# Allegro board FMDEMOD-before-back-annote.brd (continued)
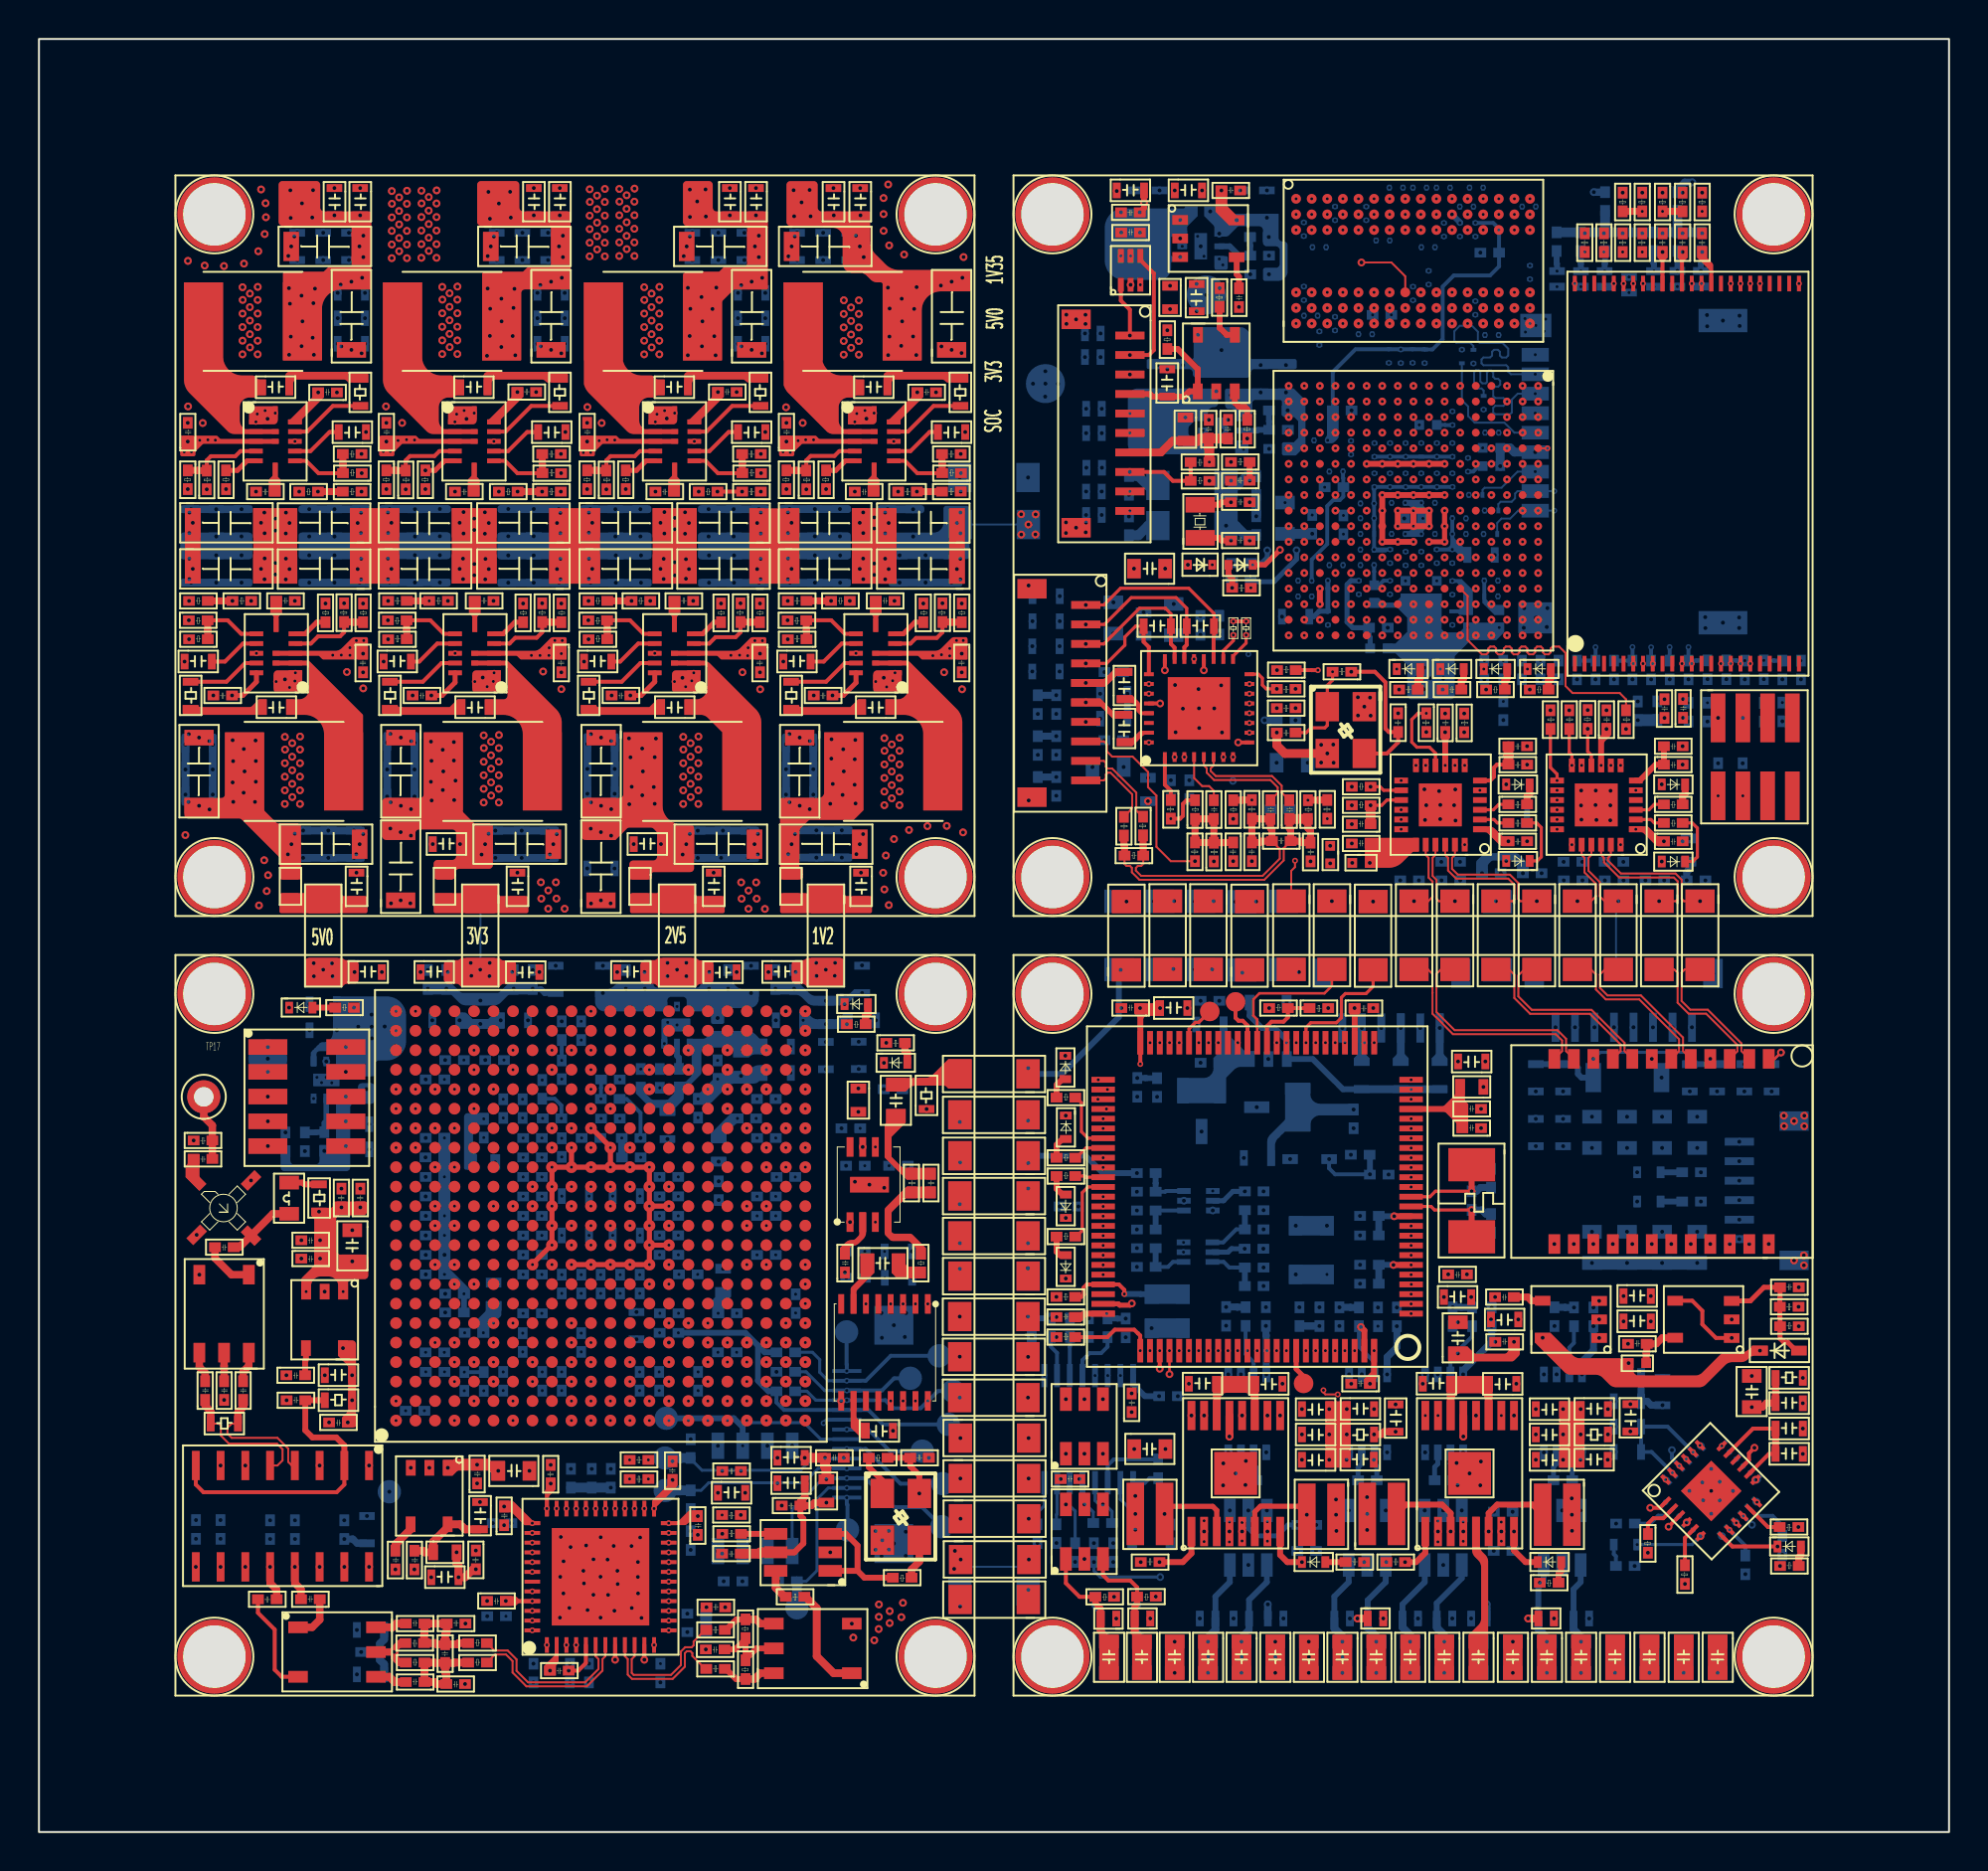
[diagram p0: board, top side]
## Routing (per net, layer and track width the routed paths; a pad name or vN(x,y) marks a point on that pad's centre or on a via; arc(x,y) is an arc through that point) (continued)
N7085137: length 19
  PWR-L6 w0.22: v2(76.77,74.8) 77.39,74.8 79.11,76.53 79.11,78.97 79.36,79.22 79.36,79.68 79.11,79.93 v2(79.11,80.09)
  BOTTOM w0.1: v2(76.77,74.8) 75.52,74.8 75.38,74.93 75.38,75.16 75.28,75.26 74.11,75.26 74.01,75.36 74.01,75.56 74.11,75.66 74.46,75.66 74.56,75.76 74.56,75.95 74.66,76.05 74.86,76.05 74.96,75.95 74.96,75.76 75.06,75.66 75.28,75.66 75.38,75.76 75.38,76.11 75.09,76.4 73.93,76.4 73.83,76.5 73.83,76.98 73.52,77.28 72.9,77.28 72.62,77 72.62,76.51 72.72,76.41 73.43,76.41 73.6,76.25 R169.2
  BOTTOM w0.3: v2(79.11,80.09) 79.11,80.47 79.11,80.47 R158.2
N7099288: length 4.3
  TOP w0.2: v8(55.97,76.78) 55.97,78.11 55.51,78.58 U31.1
  SIGNAL-L3 w0.3: v12(54.47,76.89) 54.84,76.89 54.95,76.78 v8(55.97,76.78)
N7119824: length 1.4
  BOTTOM w0.2: C180.1 56.98,18.16 56.74,17.92 U32.1
N7119928: length 2.6
  BOTTOM w0.16: U32.4 54.19,17.01 54.46,16.73 54.77,16.73 55.05,16.45 C184.1
N7119940: length 2.4
  BOTTOM w0.16: C181.1 56.09,16.46 55.48,17.07 U32.2
N7119964: length 3.6
  BOTTOM w0.2: C180.2 55.14,19.12 54.84,18.81 U32.3
N7119992: length 3.2
  BOTTOM w0.16: U32.6 52.88,16.74 53.16,16.47 C185.1
N7120000: length 2.3
  BOTTOM w0.16: C184.2 54.09,16.42 53.53,16.97 U32.5
N7120004: length 2.4
  BOTTOM w0.2: U33.3 57.82,32.89 57.78,32.85 R189.2
  BOTTOM w0.3: R189.2 57.29,33.29 R192.2
N7132397: length 9
  SIGNAL-L7 w0.1: v19(54.84,23.42) 55.47,22.78 55.47,15.18 v14(55.12,14.82)
N7132401: length 2.1
  BOTTOM w0.16: R312.1 52.2,16.28 52.23,16.31 U32.7
N7132405: length 8.8
  SIGNAL-L7 w0.1: v14(54.12,14.82) 53.86,15.09 53.86,23.09 v19(54.19,23.42)
N7132409: length 2.3
  BOTTOM w0.16: U32.8 51.59,16.75 51.23,16.39 R314.1
N7132815: length 6.5
  SIGNAL-L3 w0.1: v5(58.72,30.25) 58.4,30.25 57.46,29.31 57.46,27.64 56.17,26.34 v12(55.76,26.34)
  BOTTOM w0.3: R317.2 55.32,26.35 55.33,26.34 v12(55.76,26.34)
N7132819: length 2.5
  BOTTOM w0.2: U34.1 58.18,29.25 57.93,29 R319.2
  BOTTOM w0.3: R318.2 R319.2
N7301618: length 2.9
  BOTTOM w0.2: R188.2 61.43,30.92 60.76,30.25 U34.4
  BOTTOM w0.3: R188.2 R194.2
N7301681: length 2.4
  BOTTOM w0.2: U33.1 R198.2
  BOTTOM w0.3: R198.2 R199.2
N7301693: length 2.7
  BOTTOM w0.2: U34.6 60.78,29.25 61.07,28.97 61.38,28.97 61.38,28.97 R197.2
  BOTTOM w0.3: R197.2 R201.2
N7303091: length 2
  BOTTOM w0.2: R320.1 52.9,24.91 52.88,24.89 U32.11
N7303129: length 2.1
  BOTTOM w0.2: U32.10 52.23,24.58 51.91,24.91 R322.1
N7303150: length 2.9
  BOTTOM w0.2: R317.1 54.83,24.9 54.5,24.57 53.9,24.57 53.53,24.21 U32.12
N7303177: length 9.3
  SIGNAL-L3 w0.1: v12(56.33,29.96) 55.82,29.96 55.45,29.59 55.45,28.36 54.83,27.74 54.01,27.74 52.96,26.7 52.96,24.8 v5(51.59,23.42)
N7304159: length 13.8
  SIGNAL-L3 w0.1: v12(53.87,26.36) 54.4,25.83 56.2,25.83 56.7,25.33 57.59,25.33 59.69,27.44 59.69,32.36 v5(60.22,32.89)
  BOTTOM w0.3: R320.2 v12(53.87,26.36)
N7304177: length 12.6
  SIGNAL-L7 w0.1: v14(60.22,31.89) 60.22,30.24 57.94,27.96 54.21,27.96 52.61,26.36 v14(51.91,26.36)
  BOTTOM w0.3: R323.2 v14(51.91,26.36)
N7355971: length 11.3
  SIGNAL-L3 w0.1: v8(50.75,36.5) 51.54,36.5 57.02,41.98 57.02,42.69 58.2,43.86 v8(58.2,44.28)
N7356015: length 16.4
  SIGNAL-L3 w0.1: v8(60.19,44.26) 60.19,43.69 58.26,41.76 58.26,41.59 57.68,41.01 57.24,41.01 55.9,39.67 55.9,35.53 55.44,35.07 53.69,35.07 52.94,34.32 v8(50.76,34.32)
N7356169: length 33
  SIGNAL-L7 w0.1: v14(50.75,28.21) 51.13,27.82 51.13,26.11 51.96,25.28 57.9,25.28 61.62,29.01 62.83,29.01 63.59,29.78 63.59,31.02 63.9,31.32 63.9,32.63 65.17,33.9 65.17,36.69 66.26,37.79 66.26,41.55 64.65,43.16 v18(64.65,44.12)
N7362382: length 1.1
  BOTTOM w0.3: D55.2 R342.1
N7362412: length 1.1
  BOTTOM w0.3: R343.1 D56.2
N7454523: length 2.8
  SIGNAL-L4 w0.1: v16(37.38,14.42) 36.76,14.42 36.01,15.17 v10(36.01,16.27)
N7455499: length 1.1
  TOP w0.38: D49.2 42.53,42 42.41,41.88 R255.2
N7455557: length 1.1
  TOP w0.38: 44.55,39.47 44.55,39.95 44.43,40.07 R256.2
N7467286: length 1.7
  SIGNAL-L3 w0.2: v9(22.32,24.11) 22.05,23.85 22.05,23.83 v5(21.82,23.6)
  BOTTOM w0.2: C395.2 v5(21.82,23.6)
N7498655: length 1.7
  TOP w0.4: U40.4 19.07,15.53 18.29,14.76 C248.2
N7538451: length 0.7
  SIGNAL-L3 w0.2: v5(27.82,41.6) 28.32,42.09 v9(28.32,42.11)
N7578107: length 3.4
  TOP w0.38: TP17.1 8.46,36.7 8.89,36.26 R252.2 C213.2
N7578935: length 3.6
  TOP w0.38: C209.2 10.29,30.01 A1.3 12,31.72 L7.1
N7579108: length 1.6
  TOP w0.3: L7.2 13.53,33.32 13.62,33.23 R246.1
N7579398: length 2.7
  TOP w0.38: T2.1 9.88,28.6 9.03,29.44 C209.1
N7579484: length 1.5
  TOP w0.38: C396.2 9.5,23.92 9.5,23.92 T2.4
N7579488: length 1.6
  TOP w0.38: C398.2 8.53,23.56 8.23,23.86 8.23,24.6
N7579492: length 1.6
  TOP w0.38: C397.2 10.47,23.62 10.77,23.92 10.77,24.6
N7579615: length 6.8
  TOP w0.1: U57.4 12.98,18.81 12.79,18.99 12.79,19.67 12.23,20.22 9.88,20.22 9.67,20.44 9.67,20.74 9.88,20.95 R385.2
  TOP w0.38: R385.2 10.21,21.54 10.49,21.82 10.49,22.15 C397.1
N7579629: length 7.2
  TOP w0.1: R385.1 9.23,20.95 9.33,20.85 9.33,20.34 9.75,19.93 12.21,19.93 12.5,19.64 12.5,19.07 12.23,18.81 U57.5
  TOP w0.38: C398.1 8.53,21.87 8.81,21.59 R385.1
N7580116: length 15.8
  TOP w0.2: U57.8 8.05,17.83 8.44,17.44 15.27,17.44 15.67,17.83 U57.2
  TOP w0.3: R386.1 C399.1 13.66,20.61 14.03,20.25 15.25,20.25 15.67,19.83 U57.2
N7580344: length 1.4
  SIGNAL-L3 w0.36: v8(8.05,13.61) 8.05,14.66 8.06,14.67 v12(8.06,15.05)
N7580738: length 1.4
  SIGNAL-L3 w0.36: v12(9.31,15.05) 9.31,14.67 9.32,14.66 v8(9.32,13.61)
N7580852: length 2.7
  SIGNAL-L3 w0.36: v8(15.67,13.61) 15.67,14.66 15.66,14.66 v12(15.66,15.03)
  BOTTOM w0.36: R388.1 16.32,14.81 16.1,15.03 v12(15.66,15.03)
N7581076: length 3.2
  TOP w0.38: C402.2 13.45,12.45 13.13,12.77 v8(13.13,13.61)
  SIGNAL-L3 w0.36: v8(13.13,13.61) 13.13,14.65 13.13,14.66 v12(13.13,15.03)
N7581083: length 3.2
  TOP w0.38: v8(11.86,13.61) 11.86,12.78 12.2,12.44 12.2,11.94
  SIGNAL-L3 w0.36: v12(11.86,15.03) 11.86,14.66 11.86,14.66 v8(11.86,13.61)
N7581207: length 2.3
  TOP w0.38: T4.1 14.02,10.5 14.4,10.89 C402.1
N7581229: length 5.3
  TOP w0.2: 11.23,11.94 11.23,11.25 12.09,10.39 12.09,8.33 12.46,7.97 T4.2
N7581273: length 1.6
  TOP w0.4: C208.2 18.33,10.69 18.14,10.5 T4.5
N7581277: length 1.6
  TOP w0.4: T4.3 17.98,7.97 18.25,7.69 C207.2
N7581373: length 5.5
  TOP w0.4: C204.2 20.84,8.18 20.9,8.12 C202.1 20.41,7.59 20.31,7.69 C207.1 R234.1 20.27,8.69 20.29,8.67 C204.2 ; C204.2 21.28,8.67 21.3,8.69 R240.2
N7581387: length 5.6
  TOP w0.4: 20.84,9.64 20.84,10.17 20.92,10.25 C205.2 C208.1 19.78,10.16 19.76,10.14 R233.2 20.34,9.69 20.4,9.64 20.84,9.64 ; 20.84,9.64 21.47,9.64 21.53,9.69 R239.2
N7586253: length 2.1
  TOP w0.3: R254.1 42.58,18.72 43.27,18.03 Y5.1
N7586496: length 2.1
  TOP w0.38: 45.17,14.97 45.17,13.88 44.77,13.48 R253.2
N7586806: length 6.3
  TOP w0.3: U39.3 41.4,15.3 42,14.7 42,13.4 ; R253.1 42.35,13.05 42,13.4 ; 42,13.4 U39.1
N7587007: length 1.8
  TOP w0.3: U39.4 36.5,15.3 R251.1
N7587454: length 1.6
  TOP w0.4: U39.6 37.8,12.54 38.26,12.07 R249.1
N7587591: length 5.5
  TOP w0.4: T3.1 40.77,8.15 39.9,9.02 39.9,11.49 39.32,12.07 R249.2
N7587990: length 4.1
  TOP w0.127: 36.25,8.86 R244.1 ; 36.25,9.9 R245.2
  TOP w0.3: C210.2 35.72,9.37 36.25,9.9 36.25,8.86 36.81,9.42 T3.4
N7588005: length 2.8
  TOP w0.3: R238.1 35.24,8.37 35.76,7.85 R244.2
  TOP w0.38: R244.2 36.71,7.85 37.01,8.15 T3.5
N7588017: length 2.8
  TOP w0.3: R245.1 35.78,10.91 35.24,10.37 R243.1
  TOP w0.38: T3.3 37.01,10.69 36.79,10.91 R245.1
N7598294: length 1.4
  TOP w0.3: U58.4 13.7,24.24 13.65,24.19 C408.2
N7767499: length 7.5
  TOP w0.127: U3.38 62.51,41.69 62.31,41.88 62.31,42.73 62.62,43.03 65.96,43.03 66.34,43.41 66.34,44.26
N7869909: length 8
  TOP w0.2: 56.51,80.87 56.51,80.67 57.2,79.97 57.2,76.04 56.95,75.78 v8(55.97,75.78)
  SIGNAL-L3 w0.3: v8(55.97,75.78) 54.95,75.78 54.84,75.68 v12(54.47,75.68)
N7921484: length 1.2
  TOP w0.3: D57.2 R399.2
N7936310: length 1.3
  TOP w0.3: R400.2 52.21,35.26 52.51,35.56 D58.2
N7936621: length 1.2
  TOP w0.3: R401.2 52.21,38.33 52.51,38.63 D59.2
N7936920: length 1.3
  TOP w0.3: R402.2 52.21,29.77 52.38,29.6 D60.2
N7937230: length 1.2
  TOP w0.3: D61.2 52.51,32.71 52.21,33.01 R403.2
N8000282: length 1.8
  TOP w0.25: U3.92 64.5,23.76 64.88,23.38 TP18.1
N8000304: length 2.1
  TOP w0.16: TP19.1 59.51,41.54 59.34,41.54 59.01,41.21 U3.45
N8000357: length 2.5
  TOP w0.2: U3.39 62.01,41.38 61.76,41.63 61.54,41.63 61.39,41.78 TP20.1
N8015227: length 1.7
  BOTTOM w0.5: R409.1 56.89,69.09 56.41,69.57 R66.1
N8015335: length 1.7
  BOTTOM w0.5: R410.1 56.91,67.03 56.42,66.54 R408.1
N8184194: length 4.2
  TOP w0.2: U591.4 10.34,70.85 10.08,70.59 8.82,70.59 8.61,70.38 R4121.2
  TOP w0.36: R4121.2 8.13,69.85 8.12,69.86 R2701.1
N8184251: length 5.3
  TOP w0.36: v8(14.31,68.78) R4131.1
  SIGNAL-L3 w0.2: v9(13.13,71.35) 14.09,71.35 14.78,70.66 14.78,69.67 14.31,69.2 v8(14.31,68.78)
N8184327: length 9
  SIGNAL-L4 w0.2: v10(9.6,68.9) 10.12,68.9 10.5,69.28 13.54,69.28 14.33,70.07 v10(14.33,73.86)
N8184405: length 1.7
  TOP w0.25: U591.5 10.67,70.35 10.18,69.86 R4151.1
N8185005: length 3.9
  TOP w0.2: R2681.1 15.08,73.17 13.76,71.85 U591.10
N8185163: length 2.7
  TOP w0.2: C3231.2 14.91,71.83 13.93,70.85 U591.8
N8185326: length 3.7
  TOP w0.2: R2761.2 14.34,69.72 13.71,70.35 U591.7
  TOP w0.36: R2711.1 15.59,70.21 15.6,70.2 R2761.2
N8189530: length 3.9
  TOP w0.2: U611.10 23.95,71.85 25.26,73.17 R4231.1
N8189912: length 4.2
  TOP w0.2: U611.4 20.55,70.85 20.29,70.6 19.04,70.6 18.82,70.38 R4281.2
  TOP w0.36: R4241.1 18.33,69.86 18.34,69.85 R4281.2
N8189916: length 27.1
  TOP w0.36: v8(24.56,68.78) v11(25.82,68.78)
  SIGNAL-L3 w0.2: v9(23.34,71.35) 24.54,71.35 24.99,70.9 24.99,69.64 24.56,69.2 v8(24.56,68.78)
  SIGNAL-L8 w0.2: v6(47.25,69.5) 26.54,69.5 v11(25.82,68.78)
N8189928: length 2.7
  TOP w0.2: U611.8 24.07,70.85 25.05,71.83 C5191.2
N8189952: length 3.7
  TOP w0.2: R4311.2 24.55,69.72 23.92,70.35 U611.7
  TOP w0.36: R4271.1 25.82,70.21 25.83,70.2 R4311.2
N8190068: length 9.1
  SIGNAL-L4 w0.2: v10(24.55,73.88) 24.55,69.93 23.89,69.27 20.74,69.27 20.37,68.9 v10(19.83,68.9)
N8193321: length 3.9
  TOP w0.2: R4321.1 35.57,73.17 34.25,71.85 U621.10
N8193703: length 4.2
  TOP w0.2: R4371.2 29.11,70.38 29.32,70.59 30.57,70.59 30.83,70.85 U621.4
  TOP w0.36: R4331.1 28.62,69.86 28.63,69.85 R4371.2
N8193719: length 2.6
  TOP w0.2: U621.8 34.41,70.85 35.39,71.83 C5291.2
N8193743: length 3.7
  TOP w0.2: U621.7 34.2,70.35 34.83,69.72 R4401.2
  TOP w0.36: R4401.2 36.09,70.22 36.08,70.23 R4361.1
N8193859: length 9.1
  SIGNAL-L4 w0.2: v10(34.84,73.88) 34.84,69.99 34.16,69.31 31.03,69.31 30.63,68.9 v10(30.11,68.9)
N8193943: length 1.7
  TOP w0.25: U621.5 31.15,70.35 30.66,69.86 R4391.1
N8195603: length 4
  TOP w0.2: R4411.1 45.9,73.17 44.58,71.85 U631.10
N8195985: length 4.2
  TOP w0.2: R4461.2 39.37,70.38 39.59,70.6 40.81,70.6 41.06,70.85 U631.4
  TOP w0.36: R4461.2 38.89,69.85 38.88,69.86 R4421.1
N8196001: length 2.7
  TOP w0.2: U631.8 44.72,70.85 45.7,71.83 C5391.2
N8196025: length 3.7
  TOP w0.2: U631.7 44.44,70.35 45.07,69.72 R4491.2
  TOP w0.36: R4451.1 46.33,70.21 46.34,70.2 R4491.2
N8196141: length 9
  SIGNAL-L4 w0.2: v10(40.38,68.9) 41,68.9 41.37,69.28 44.3,69.28 45.06,70.05 v10(45.06,73.87)
N8196225: length 1.7
  TOP w0.25: U631.5 41.38,70.35 40.89,69.86 R4481.1
N8196940: length 4.2
  TOP w0.2: R412.2 15.65,61.56 15.45,61.35 14.32,61.35 13.95,60.98 U59.4
  TOP w0.36: R270.1 16.14,62.08 16.13,62.09 R412.2
N8196944: length 5.6
  TOP w0.36: R413.1 v8(9.93,63.17)
  SIGNAL-L3 w0.2: v9(11.16,60.48) 9.9,60.48 9.46,60.92 9.46,62.28 9.93,62.74 v8(9.93,63.17)
N8196950: length 11
  TOP w0.25: v10(9.91,58.32) 10.46,58.32 11.16,59.02 U59.11
  SIGNAL-L4 w0.2: v10(14.7,63.03) 14.21,63.03 13.8,62.63 10.45,62.63 9.91,62.09 v10(9.91,58.32)
N8196956: length 1.8
  TOP w0.25: R415.1 14.25,62.08 13.66,61.48 U59.5
N8197004: length 3.8
  TOP w0.2: U59.10 10.58,59.98 9.62,59.02 R268.1
N8197022: length 2.7
  TOP w0.2: C323.2 9.54,60.05 10.47,60.98 U59.8
N8197032: length 3.8
  TOP w0.2: R276.2 9.68,62.17 10.38,61.48 U59.7
  TOP w0.36: R271.1 8.66,61.69 8.65,61.7 R276.2
N8197074: length 3.7
  TOP w0.2: R423.1 19.7,59.02 20.65,59.98 U61.10
N8197146: length 4.2
  TOP w0.2: R428.2 25.82,61.56 25.54,61.28 24.44,61.28 24.14,60.98 U61.4
  TOP w0.36: R428.2 26.29,62.09 26.3,62.08 R424.1
N8197148: length 5.3
  TOP w0.36: R425.1 v9(20.02,63.17)
  SIGNAL-L3 w0.2: v9(21.35,60.48) 20.2,60.48 19.7,60.98 19.7,62.25 20.02,62.57 v9(20.02,63.17)
N8197154: length 2.6
  TOP w0.2: U61.8 20.43,60.98 19.51,60.05 C519.2
N8197166: length 3.8
  TOP w0.2: U61.7 20.77,61.48 20.08,62.17 R431.2
  TOP w0.36: R431.2 18.86,61.69 18.87,61.68 R427.1
N8197176: length 10.9
  TOP w0.25: U61.11 21.35,58.98 20.68,58.32 v10(20.13,58.32)
  SIGNAL-L4 w0.2: v10(24.84,63.03) 24.32,63.03 23.91,62.63 20.68,62.63 20.13,62.09 v10(20.13,58.32)
N8197194: length 1.7
  TOP w0.25: R430.1 24.42,62.08 23.82,61.48 U61.5
N8197218: length 3.8
  TOP w0.2: R432.1 29.9,59.02 30.86,59.98 31.02,59.98 31.02,59.98 U62.10
N8197290: length 4.2
  TOP w0.2: R437.2 35.99,61.56 35.74,61.31 34.72,61.31 34.39,60.98 U62.4
  TOP w0.36: R433.1 36.48,62.08 36.47,62.09 R437.2
N8197292: length 5.4
  TOP w0.36: R434.1 v8(30.4,63.17)
  SIGNAL-L3 w0.2: v9(31.59,60.48) 30.55,60.48 29.94,61.09 29.94,62.28 30.4,62.74 v8(30.4,63.17)
N8197298: length 2.6
  TOP w0.2: C529.2 29.82,60.05 30.75,60.98 31.01,60.98 U62.8
N8197310: length 3.7
  TOP w0.2: U62.7 31.02,61.48 30.32,62.17 R440.2
  TOP w0.36: R440.2 29.15,61.7 29.16,61.69 R436.1
N8197320: length 10.8
  TOP w0.25: U62.11 31.59,59.02 30.89,58.32 v10(30.34,58.32)
  SIGNAL-L4 w0.2: v10(35,63.03) 34.49,63.03 34.09,62.63 30.93,62.63 30.34,62.04 v10(30.34,58.32)
N8197338: length 1.6
  TOP w0.25: U62.5 34.05,61.48 34.65,62.08 R439.1
N8197362: length 3.7
  TOP w0.2: 38.59,59.02 40.38,59.02 41.34,59.98 U63.10
N8197434: length 4.2
  TOP w0.2: U63.4 44.71,60.98 45,61.27 46.06,61.27 46.35,61.56 R446.2
  TOP w0.36: R446.2 46.83,62.09 46.84,62.08 R442.1
N8197436: length 5.5
  TOP w0.36: R443.1 v8(40.64,63.17)
  SIGNAL-L3 w0.2: v9(41.92,60.48) 40.65,60.48 40.32,60.81 40.32,62.42 40.64,62.74 v8(40.64,63.17)
N8197442: length 2.7
  TOP w0.2: C539.2 40.26,60.05 41.19,60.98 U63.8
N8197454: length 3.8
  TOP w0.2: R449.2 40.65,62.17 41.34,61.48 U63.7
  TOP w0.36: R449.2 39.37,61.69 39.38,61.68 R445.1
N8197464: length 10.8
  TOP w0.25: v10(40.71,58.32) 41.27,58.32 41.92,58.97 U63.11
  SIGNAL-L4 w0.2: v10(40.71,58.32) 40.71,62.08 41.28,62.64 44.43,62.64 44.83,63.03 v10(45.37,63.03)
N8197482: length 1.7
  TOP w0.25: R448.1 44.95,62.08 44.35,61.48 U63.5
N8206279: length 1.6
  TOP w0.3: U46.4 61.45,79.92 61.57,79.81 C322.2
N8420934: length 2.7
  BOTTOM w0.3: R4511.1 62.14,81.41 62.15,81.4 R4512.2 61.57,80.89 61.09,81.36 U632.2
N8425431: length 4.1
  SIGNAL-L8 w0.16: v7(58.66,81.36) 59.35,81.36 60.78,79.92 v6(62.15,79.92)
N8429190: length 4
  SIGNAL-L8 w0.16: v6(63.12,70.97) 60.3,70.97 59.72,71.55 v7(59.72,71.9)
N8429316: length 2.5
  BOTTOM w0.3: R4517.1 63.11,72.38 63.12,72.37 63.12,71.95 62.54,71.95 62.5,71.9 U633.2
N8449814: length 5
  SIGNAL-L8 w0.2: v6(14.74,39.54) 13.89,39.54 12.65,38.29 v6(12.65,35.9)
N8449940: length 2.8
  BOTTOM w0.28: U634.2 14.74,36.48 14.64,36.38 R4521.1
  BOTTOM w0.3: R4521.1 14.21,35.91 14.2,35.9 R4522.2
N8561901: length 4.6
  SIGNAL-L3 w0.26: v5(30.88,39.15) 30.88,41.64 31.59,42.36 v5(32.74,42.36)
N8561999: length 2.3
  BOTTOM w0.3: R4526.2 32.82,39.15 R4525.1 32.83,39.73 32.74,39.83 U635.2

## Copper pours and planes (outline as drawn; the poured copper is in the pictures)
1V2_FPGA on BOTTOM (solid shape): 39.51,43.05 39.68,42.94 39.87,42.9 41.28,42.9 41.47,42.94 41.63,43.05 41.83,43.25 42.63,43.25 42.63,42.85 41.83,42.85 41.53,42.55 41.37,42.44 41.18,42.4 39.77,42.4 39.58,42.44 39.41,42.55 39.14,42.82 38.98,42.93 38.79,42.97 37.53,42.97 37.53,43.57 39,43.57
1V2_FPGA on PWR-L6: 37.37,44.87 37.37,42.82 37.52,42.67 38.97,42.67 39.04,42.75 39.36,42.75 39.74,42.37 41.13,42.37 41.47,42.71 42.73,42.71 42.9,42.87 42.9,44.84 42.85,44.89 37.39,44.89
1V2_FPGA_PWR on TOP (solid shape): 42.29,52.42 41.86,51.99 41.8,51.95 41.72,51.93 39.59,51.93 39.51,51.91 39.45,51.87 39.07,51.49 39.03,51.43 39.01,51.35 39.01,49.53 39.02,49.52 39.09,49.52 39.16,49.49 39.19,49.42 39.19,48.97 39.16,48.9 39.09,48.87 38.12,48.87 38.05,48.9 38.02,48.97 38.02,52.95 38.05,53.03 38.12,53.05 39.99,53.05 40.21,53.14 40.29,53.35 40.29,56.42 42.29,56.42
2V5_FPGA on BOTTOM (solid shape): 36.37,41.1 36.56,41.06 36.73,40.96 36.98,40.7 37.38,40.7 37.38,39.9 36.78,39.9 36.59,39.87 36.43,39.76 36.42,39.75 35.62,39.75 35.62,40.05 35.56,40.19 35.42,40.25 34.19,40.25 34.05,40.19 33.99,40.05 33.99,38.98 33.97,38.9 33.93,38.84 33.08,37.99 33.08,37.67 33.07,37.6 33.03,37.53 32.64,37.15 32.64,36.75 31.84,36.75 31.84,37.15 31.44,37.15 31.37,37.17 31.3,37.21 30.63,37.89 30.63,38.49 31.13,38.49 31.13,37.89 31.38,37.63 31.45,37.59 31.52,37.57 32.18,37.57 32.25,37.59 32.32,37.63 32.58,37.9 32.58,38.5 33.1,38.5 33.18,38.51 33.24,38.56 33.43,38.74 33.47,38.81 33.49,38.88 33.49,39.87 33.47,39.95 33.43,40.01 33.24,40.21 33.24,40.71 34.09,40.71 34.17,40.72 34.23,40.76 34.57,41.1
2V5_FPGA_IN on BOTTOM (solid shape): 31.53,43.52 31.58,43.38 31.73,43.33 33.74,43.33 33.88,43.38 33.94,43.52 33.94,43.57 35.61,43.57 35.78,43.39 35.94,43.29 36.13,43.25 36.93,43.25 36.93,42.77 36.79,42.42 36.43,42.27 35.26,42.27 35.19,42.24 35.16,42.17 35.16,41.56 35.13,41.49 35.06,41.46 34.58,41.46 34.51,41.49 34.48,41.56 34.48,42.01 34.45,42.08 34.38,42.11 33.24,42.11 33.24,42.65 33.18,42.79 33.04,42.85 32.44,42.85 32.29,42.79 32.24,42.65 32.24,42.11 29.03,42.11 28.68,42.25 28.53,42.61 28.53,43.25 29.13,43.25 29.32,43.29 29.48,43.39 29.51,43.42 29.67,43.53 29.86,43.57 31.53,43.57
2V5_FPGA_IN on PWR-L6: 28.91,41.87 34.01,41.87 34.41,41.48 36.09,41.48 37.16,42.55 37.16,44.82 37.11,44.86 27.85,44.86 27.48,44.49 27.48,43.3
2V5_FPGA_PWR on TOP (solid shape): 31.98,52.7 32.28,51.99 32.98,51.7 33.41,51.7 33.55,51.64 33.61,51.5 33.61,49.46 33.55,49.31 33.41,49.26 31.54,49.26 31.47,49.23 31.44,49.16 31.44,48.97 31.41,48.9 31.34,48.87 30.39,48.87 30.32,48.9 30.29,48.97 30.29,49.65 30.35,49.79 30.49,49.85 31.51,49.85 31.65,49.91 31.71,50.05 31.71,51.22 31.7,51.29 31.65,51.36 31.54,51.48 31.47,51.52 31.39,51.54 30.3,51.54 30.22,51.52 30.16,51.48 29.58,50.9 28.03,50.9 27.88,50.96 27.83,51.1 27.83,52.85 27.88,53 28.03,53.05 29.79,53.05 29.93,53.11 29.98,53.26 29.98,56.42 31.98,56.42
3V3_AUDIO on PWR-L6: 57,56.4 57.31,56.7 62.6,56.7 62.64,56.66 62.64,54.21 61.96,53.53 54.67,53.53 53.58,52.44 53.58,51.69 53.36,51.46 50.57,51.46 50.57,56 50.97,56.4
3V3_FPGA on BOTTOM (solid shape): 21.6,43.12 21.66,43.08 21.74,43.06 23.52,43.06 23.59,43.08 23.66,43.12 24.11,43.57 25.58,43.57 25.58,42.97 24.19,42.97 24.11,42.95 24.05,42.91 23.7,42.56 23.53,42.45 23.34,42.41 21.91,42.41 21.72,42.45 21.56,42.56 21.21,42.91 21.15,42.95 21.07,42.97 19.7,42.97 19.7,43.57 21.15,43.57
3V3_FPGA on PWR-L6: 19.05,44.83 19.05,43.12 19.75,42.41 23.55,42.41 24.05,42.91 26.38,42.91 27.01,43.54 27.01,44.4 26.5,44.91 19.13,44.91
3V3_FPGA_PWR on TOP (solid shape): 21.74,52.42 21.76,52.35 21.8,52.28 22.28,51.8 22.35,51.76 22.42,51.74 23.09,51.74 23.23,51.69 23.29,51.55 23.29,49.62 23.23,49.48 23.09,49.42 21.56,49.42 21.42,49.36 21.37,49.22 21.37,49.07 21.31,48.93 21.16,48.87 20.45,48.87 20.31,48.93 20.25,49.07 20.25,49.39 20.25,49.68 20.31,49.82 20.45,49.88 21.2,49.88 21.35,49.94 21.4,50.08 21.4,51.24 21.35,51.38 21.2,51.44 19.51,51.44 19.37,51.38 19.31,51.24 19.31,50.9 17.81,50.9 17.67,50.96 17.61,51.1 17.61,52.85 17.67,53 17.81,53.05 19.54,53.05 19.69,53.11 19.74,53.26 19.74,56.42 21.74,56.42
3V3_IF on PWR-L6: 7.56,26.01 16.05,26.01 16.53,25.52 16.53,17.41 17.38,16.56 17.38,12.6 16.91,12.13 16.32,12.13 15.31,11.12 15.31,7.54 7.56,7.54
3V3_MCU on TOP (solid shape): 58.77,7.82 57.77,7.82 57.77,10.12 58.77,10.12
3V3_MCU on TOP (solid shape): 69.11,7.82 68.11,7.82 68.11,10.12 69.11,10.12
3V3_MCU on TOP (solid shape): 77.86,7.82 76.86,7.82 76.86,10.12 77.86,10.12
3V3_MCU on TOP (solid shape): 67.8,42.03 67.66,41.88 67.66,39.9 67.36,39.9 67.36,41.87 67.2,42.03 67.2,42.53 67.8,42.53
3V3_MCU on TOP (solid shape): 68.65,23.4 68.64,23.32 68.59,23.25 68.59,22.75 67.99,22.75 67.99,23.25 68.29,23.55 68.34,23.62 68.35,23.7 68.35,25.3 68.65,25.3
3V3_MCU on TOP (solid shape): 55.2,26.45 53.82,26.45 53.74,26.43 53.68,26.39 53.46,26.17 52.86,26.17 52.86,26.67 53.46,26.67 53.48,26.69 53.54,26.73 53.62,26.75 55.2,26.75
3V3_MCU on TOP (solid shape): 57.72,41.88 56.86,41.88 56.72,41.82 56.66,41.68 56.66,39.9 56.36,39.9 56.36,41.75 56.34,41.83 56.3,41.89 56.2,42 56.2,42.53 57.09,42.53 57.16,42.54 57.23,42.58 57.32,42.68 57.72,42.68
3V3_MCU on TOP (solid shape): 75.98,24.57 75.96,24.49 75.92,24.43 75.7,24.2 75.64,24.16 75.56,24.15 72.3,24.15 72.3,24.91 73.3,24.91 73.61,24.6 73.67,24.56 73.75,24.54 75.18,24.54 75.32,24.6 75.38,24.74 75.38,25.4 75.98,25.4
3V3_MCU on TOP (solid shape): 78.7,24.46 78.87,24.35 79.06,24.31 81.81,24.31 81.81,23.66 81.83,23.58 81.87,23.52 81.9,23.48 81.97,23.44 82.04,23.43 84.99,23.43 85.18,23.46 85.34,23.57 86.24,24.47 86.4,24.58 86.59,24.62 87.36,24.62 87.55,24.65 87.71,24.76 87.9,24.95 88.7,24.95 88.7,24.45 88.08,24.45 87.89,24.41 87.73,24.3 87.68,24.26 87.52,24.15 87.33,24.11 86.88,24.11 86.69,24.07 86.53,23.96 85.53,22.97 85.37,22.86 85.17,22.82 80.93,22.82 80.74,22.86 80.57,22.97 80.22,23.32 80.06,23.42 79.87,23.46 78.61,23.46 78.42,23.5 78.26,23.61 76.75,25.12 76.75,25.61 77.55,25.61
3V3_MCU on BOTTOM (solid shape): 63.94,7.82 62.94,7.82 62.94,10.12 63.94,10.12
3V3_MCU on BOTTOM (solid shape): 66.43,30.61 64.13,30.61 64.13,31.61 66.43,31.61
3V3_MCU on BOTTOM (solid shape): 74.36,7.82 73.36,7.82 73.36,10.12 74.36,10.12
3V3_MCU on PWR-L6: 50.05,44.95 90.95,44.95 90.95,7.05 50.05,7.05
3V3_MCU_A on TOP (solid shape): 73.16,37.61 73.18,37.53 73.22,37.47 73.33,37.35 73.33,35.87 72.73,35.87 72.73,36.28 72.71,36.36 72.67,36.43 72.21,36.89 72.14,36.93 72.07,36.95 69.8,36.95 69.8,37.25 71.99,37.25 72.07,37.26 72.13,37.31 72.6,37.77 72.64,37.84 72.66,37.91 72.66,38.63 73.16,38.63
5V_AUDIO on PWR-L6: 56.02,60.84 56.02,61.69 56.18,61.84 60.92,61.84 61.02,61.75 61.02,59.46 59.79,58.24 57.66,58.24 56.33,56.91 50.57,56.91 50.57,59.93 55.11,59.93
5V_FPGA on TOP (solid shape): 23.02,19.15 23.09,19.13 23.16,19.09 23.21,19.03 23.91,19.03 23.91,18.03 23.21,18.03 23.21,18.35 23.16,18.49 23.01,18.55 21.57,18.55 21.49,18.53 21.43,18.49 21.23,18.29 20.73,18.29 20.73,19.09 21.23,19.09 21.29,19.13 21.37,19.15
5V_FPGA on TOP (solid shape): 16.73,32.35 16.8,32.32 16.83,32.25 16.83,31.84 16.77,31.7 16.63,31.64 15.45,31.64 15.31,31.58 15.25,31.44 15.25,29.83 15.31,29.69 15.45,29.63 16.7,29.63 16.84,29.57 16.9,29.43 16.9,28.57 16.84,28.43 16.7,28.37 16.06,28.37 15.92,28.31 15.86,28.17 15.86,27.33 15.36,27.33 15.36,28 15.21,28.36 14.86,28.5 14.46,28.5 14.1,28.36 13.96,28 13.96,27.33 13.46,27.33 13.46,28.32 13.47,28.4 13.52,28.46 14.06,29.01 14.11,29.07 14.12,29.15 14.12,31.4 14.11,31.47 14.06,31.54 13.97,31.63 13.97,32.03 14.98,32.03 15.05,32.06 15.08,32.13 15.08,32.25 15.11,32.32 15.18,32.35
5V_FPGA on BOTTOM (solid shape): 17.04,38.42 17.19,38.36 17.24,38.22 17.24,37.57 17.19,37.42 17.04,37.37 16.17,37.37 16.03,37.31 15.97,37.17 15.97,34.39 15.97,34.39 15.97,34.11 15.91,33.97 15.77,33.91 12.6,33.91 12.46,33.97 12.4,34.11 12.4,35.24 12.9,35.24 12.9,34.45 12.96,34.31 13.1,34.25 14.19,34.25 14.33,34.31 14.39,34.45 14.39,35.25 15.04,35.25 15.18,35.3 15.24,35.45 15.24,37.89 16.16,37.89 16.31,37.95 16.36,38.09 16.36,38.22 16.42,38.36 16.56,38.42
5V_FPGA on PWR-L6 (solid shape): 42.46,38.94 43.04,38.36 43.64,38.36 43.64,37.86 42.48,37.86 42.44,37.9 41.64,37.9 41.64,38.55 41.66,38.57 41.66,39.35 42.46,39.35
5V_FPGA on PWR-L6: 19.15,17.4 23.93,17.4 24.36,17.84 24.36,19.92 24.21,20.08 18.27,20.08 17.81,20.53 17.81,38.11 17.33,38.59 15.2,38.59 14.96,38.82 12.14,38.82 10.71,40.25 7.37,40.25 7.19,40.07 7.19,26.8 7.42,26.57 16.24,26.57 16.88,25.92 16.88,18.64 17.21,18.31 18.24,18.31
5V_FPGA_IN on BOTTOM (solid shape): 17.84,42.88 18.55,42.58 18.84,41.88 18.84,40.59 18.55,39.88 17.84,39.59 17.44,39.59 17.3,39.53 17.24,39.39 17.24,38.88 17.21,38.81 17.14,38.78 16.46,38.78 16.39,38.81 16.36,38.88 16.36,39.09 16.31,39.23 16.16,39.29 15.24,39.29 15.24,39.93 15.23,39.97 15.2,40.01 15.14,40.05 15.06,40.07 14.42,40.07 14.34,40.05 14.28,40.01 14.25,39.97 14.24,39.93 14.24,39.29 13.94,39.29 13.94,39.93 13.96,40 14,40.07 14.4,40.47 14.46,40.51 14.54,40.53 14.58,40.53 14.94,40.67 15.08,41.03 15.08,42.88
5V_FPGA_IN on PWR-L6: 18.48,44.78 18.48,41.64 18.08,41.64 17.84,41.4 17.84,39.31 17.68,39.15 15.34,39.15 15.18,39.32 12.78,39.32 11.4,40.7 11.4,44.75 11.5,44.85 18.42,44.85
5V_FPGA_PWR on TOP (solid shape): 11.55,52.5 11.56,52.43 11.61,52.36 12.16,51.8 12.23,51.76 12.3,51.74 13.25,51.74 13.39,51.69 13.45,51.55 13.45,48.97 13.42,48.9 13.34,48.87 12.45,48.87 12.38,48.9 12.35,48.97 12.35,49.92 12.34,49.99 12.29,50.06 10.4,51.95 10.34,51.99 10.26,52.01 7.66,52.01 7.52,52.06 7.46,52.2 7.46,53.05 9.35,53.05 9.49,53.11 9.55,53.26 9.55,53.28 9.55,56.42 11.55,56.42
